# Altium PCB PCB2.PcbDoc (part 1 of 16) (continued)
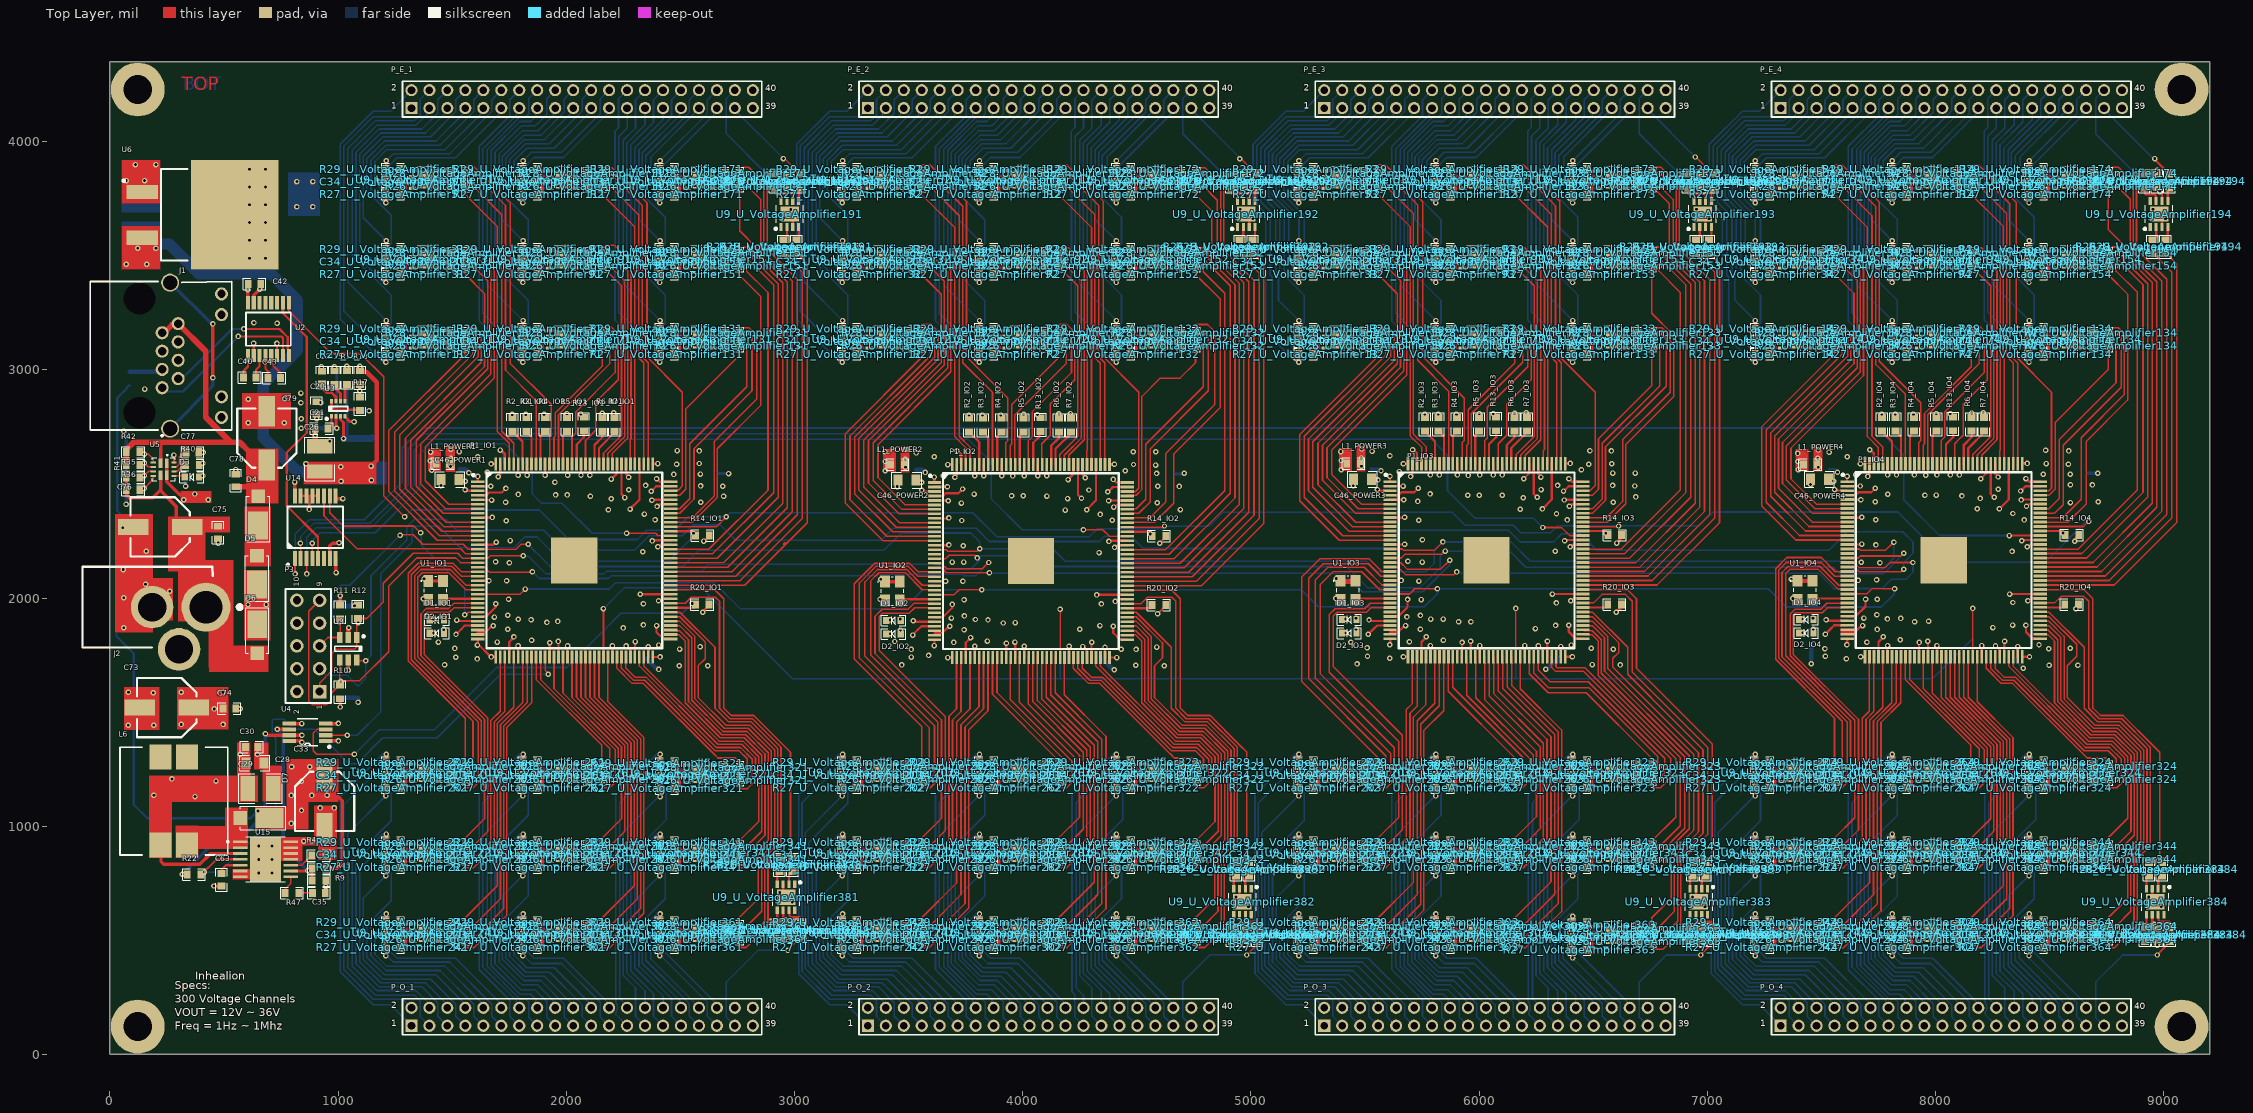
[diagram p0: Top Layer view]
## Design rules (kind name [scope] priority, off if disabled: settings) (continued)
RoomDefinition U_VoltageAmplifier272 [InComponentClass('U_VoltageAmplifier272')] p53: confinementstyle=ConfineIn formatcopy=TRUE lockcomponents=FALSE outline 4191.26,1325.59 3771.26,1325.59 3771.26,1125.59 4191.26,1125.59
RoomDefinition U_VoltageAmplifier232 [InComponentClass('U_VoltageAmplifier232')] p54: confinementstyle=ConfineIn formatcopy=TRUE lockcomponents=FALSE outline 3591.26,975.59 3171.26,975.59 3171.26,775.59 3591.26,775.59
RoomDefinition U_VoltageAmplifier212 [InComponentClass('U_VoltageAmplifier212')] p55: confinementstyle=ConfineIn formatcopy=TRUE lockcomponents=FALSE outline 3591.26,1325.59 3171.26,1325.59 3171.26,1125.59 3591.26,1125.59
RoomDefinition U_VoltageAmplifier182 [InComponentClass('U_VoltageAmplifier182')] p56: confinementstyle=ConfineIn formatcopy=TRUE lockcomponents=FALSE outline 4791.26,3925.59 4371.26,3925.59 4371.26,3725.59 4791.26,3725.59
RoomDefinition U_VoltageAmplifier162 [InComponentClass('U_VoltageAmplifier162')] p57: confinementstyle=ConfineIn formatcopy=TRUE lockcomponents=FALSE outline 4791.26,3575.59 4371.26,3575.59 4371.26,3375.59 4791.26,3375.59
RoomDefinition U_VoltageAmplifier142 [InComponentClass('U_VoltageAmplifier142')] p58: confinementstyle=ConfineIn formatcopy=TRUE lockcomponents=FALSE outline 4791.26,3225.59 4371.26,3225.59 4371.26,3025.59 4791.26,3025.59
RoomDefinition U_VoltageAmplifier122 [InComponentClass('U_VoltageAmplifier122')] p59: confinementstyle=ConfineIn formatcopy=TRUE lockcomponents=FALSE outline 4191.26,3925.59 3771.26,3925.59 3771.26,3725.59 4191.26,3725.59
RoomDefinition U_VoltageAmplifier102 [InComponentClass('U_VoltageAmplifier102')] p60: confinementstyle=ConfineIn formatcopy=TRUE lockcomponents=FALSE outline 4191.26,3575.59 3771.26,3575.59 3771.26,3375.59 4191.26,3375.59
RoomDefinition U_VoltageAmplifier82 [InComponentClass('U_VoltageAmplifier82')] p61: confinementstyle=ConfineIn formatcopy=TRUE lockcomponents=FALSE outline 4191.26,3225.59 3771.26,3225.59 3771.26,3025.59 4191.26,3025.59
RoomDefinition U_VoltageAmplifier62 [InComponentClass('U_VoltageAmplifier62')] p62: confinementstyle=ConfineIn formatcopy=TRUE lockcomponents=FALSE outline 3591.26,3925.59 3171.26,3925.59 3171.26,3725.59 3591.26,3725.59
RoomDefinition U_VoltageAmplifier42 [InComponentClass('U_VoltageAmplifier42')] p63: confinementstyle=ConfineIn formatcopy=TRUE lockcomponents=FALSE outline 3591.26,3575.59 3171.26,3575.59 3171.26,3375.59 3591.26,3375.59
RoomDefinition POWER4 [InComponentClass('POWER4')] p64: confinementstyle=ConfineIn formatcopy=TRUE lockcomponents=FALSE outline 7421.26,1665.59 8721.26,1665.59 8721.26,2675.59 7421.26,2675.59
RoomDefinition POWER3 [InComponentClass('POWER3')] p65: confinementstyle=ConfineIn formatcopy=TRUE lockcomponents=FALSE outline 5421.26,1665.59 6721.26,1665.59 6721.26,2675.59 5421.26,2675.59
RoomDefinition POWER1 [InComponentClass('POWER1')] p66: confinementstyle=ConfineIn formatcopy=TRUE lockcomponents=FALSE outline 1421.26,1665.59 2721.26,1665.59 2721.26,2675.59 1421.26,2675.59
RoomDefinition IO4 [InComponentClass('IO4')] p67: confinementstyle=ConfineIn formatcopy=TRUE lockcomponents=FALSE outline 7341.26,1705.59 8651.26,1705.59 8651.26,2825.59 7341.26,2825.59
RoomDefinition IO3 [InComponentClass('IO3')] p68: confinementstyle=ConfineIn formatcopy=TRUE lockcomponents=FALSE outline 5341.26,1705.59 6651.26,1705.59 6651.26,2825.59 5341.26,2825.59
RoomDefinition IO1 [InComponentClass('IO1')] p69: confinementstyle=ConfineIn formatcopy=TRUE lockcomponents=FALSE outline 1341.26,1705.59 2651.26,1705.59 2651.26,2815.59 1341.26,2815.59
RoomDefinition U_VoltageAmplifier321 [InComponentClass('U_VoltageAmplifier321')] p70: confinementstyle=ConfineIn formatcopy=FALSE lockcomponents=FALSE outline 2791.26,1325.59 2371.26,1325.59 2371.26,1125.59 2791.26,1125.59
RoomDefinition U_VoltageAmplifier331 [InComponentClass('U_VoltageAmplifier331')] p71: confinementstyle=ConfineIn formatcopy=FALSE lockcomponents=FALSE outline 2791.26,1325.59 2371.26,1325.59 2371.26,1125.59 2791.26,1125.59
RoomDefinition U_VoltageAmplifier231 [InComponentClass('U_VoltageAmplifier231')] p72: confinementstyle=ConfineIn formatcopy=FALSE lockcomponents=FALSE outline 1591.26,975.59 1171.26,975.59 1171.26,775.59 1591.26,775.59
RoomDefinition U_VoltageAmplifier381 [InComponentClass('U_VoltageAmplifier381')] p73: confinementstyle=ConfineIn formatcopy=FALSE lockcomponents=FALSE outline 2871.26,895.59 2871.26,475.59 3071.26,475.59 3071.26,895.59
RoomDefinition U_VoltageAmplifier361 [InComponentClass('U_VoltageAmplifier361')] p74: confinementstyle=ConfineIn formatcopy=FALSE lockcomponents=FALSE outline 2791.26,625.59 2371.26,625.59 2371.26,425.59 2791.26,425.59
RoomDefinition U_VoltageAmplifier341 [InComponentClass('U_VoltageAmplifier341')] p75: confinementstyle=ConfineIn formatcopy=FALSE lockcomponents=FALSE outline 2791.26,975.59 2371.26,975.59 2371.26,775.59 2791.26,775.59
RoomDefinition U_VoltageAmplifier301 [InComponentClass('U_VoltageAmplifier301')] p76: confinementstyle=ConfineIn formatcopy=FALSE lockcomponents=FALSE outline 2191.26,625.59 1771.26,625.59 1771.26,425.59 2191.26,425.59
RoomDefinition U_VoltageAmplifier281 [InComponentClass('U_VoltageAmplifier281')] p77: confinementstyle=ConfineIn formatcopy=FALSE lockcomponents=FALSE outline 2191.26,975.59 1771.26,975.59 1771.26,775.59 2191.26,775.59
RoomDefinition U_VoltageAmplifier241 [InComponentClass('U_VoltageAmplifier241')] p78: confinementstyle=ConfineIn formatcopy=FALSE lockcomponents=FALSE outline 1591.26,625.59 1171.26,625.59 1171.26,425.59 1591.26,425.59
RoomDefinition U_VoltageAmplifier221 [InComponentClass('U_VoltageAmplifier221')] p79: confinementstyle=ConfineIn formatcopy=FALSE lockcomponents=FALSE outline 1591.26,975.59 1171.26,975.59 1171.26,775.59 1591.26,775.59
RoomDefinition U_VoltageAmplifier201 [InComponentClass('U_VoltageAmplifier201')] p80: confinementstyle=ConfineIn formatcopy=FALSE lockcomponents=FALSE outline 1591.26,1325.59 1171.26,1325.59 1171.26,1125.59 1591.26,1125.59
RoomDefinition U_VoltageAmplifier371 [InComponentClass('U_VoltageAmplifier371')] p81: confinementstyle=ConfineIn formatcopy=FALSE lockcomponents=FALSE outline 2791.26,625.59 2371.26,625.59 2371.26,425.59 2791.26,425.59
RoomDefinition U_VoltageAmplifier351 [InComponentClass('U_VoltageAmplifier351')] p82: confinementstyle=ConfineIn formatcopy=FALSE lockcomponents=FALSE outline 2791.26,975.59 2371.26,975.59 2371.26,775.59 2791.26,775.59
RoomDefinition U_VoltageAmplifier311 [InComponentClass('U_VoltageAmplifier311')] p83: confinementstyle=ConfineIn formatcopy=FALSE lockcomponents=FALSE outline 2191.26,625.59 1771.26,625.59 1771.26,425.59 2191.26,425.59
RoomDefinition U_VoltageAmplifier291 [InComponentClass('U_VoltageAmplifier291')] p84: confinementstyle=ConfineIn formatcopy=FALSE lockcomponents=FALSE outline 2191.26,975.59 1771.26,975.59 1771.26,775.59 2191.26,775.59
RoomDefinition U_VoltageAmplifier271 [InComponentClass('U_VoltageAmplifier271')] p85: confinementstyle=ConfineIn formatcopy=FALSE lockcomponents=FALSE outline 2191.26,1325.59 1771.26,1325.59 1771.26,1125.59 2191.26,1125.59
RoomDefinition U_VoltageAmplifier251 [InComponentClass('U_VoltageAmplifier251')] p86: confinementstyle=ConfineIn formatcopy=FALSE lockcomponents=FALSE outline 1591.26,625.59 1171.26,625.59 1171.26,425.59 1591.26,425.59
RoomDefinition U_VoltageAmplifier211 [InComponentClass('U_VoltageAmplifier211')] p87: confinementstyle=ConfineIn formatcopy=FALSE lockcomponents=FALSE outline 1591.26,1325.59 1171.26,1325.59 1171.26,1125.59 1591.26,1125.59
RoomDefinition U_VoltageAmplifier81 [InComponentClass('U_VoltageAmplifier81')] p88: confinementstyle=ConfineIn formatcopy=FALSE lockcomponents=FALSE outline 2191.26,3225.59 1771.26,3225.59 1771.26,3025.59 2191.26,3025.59
RoomDefinition U_VoltageAmplifier101 [InComponentClass('U_VoltageAmplifier101')] p89: confinementstyle=ConfineIn formatcopy=FALSE lockcomponents=FALSE outline 2191.26,3575.59 1771.26,3575.59 1771.26,3375.59 2191.26,3375.59
RoomDefinition U_VoltageAmplifier141 [InComponentClass('U_VoltageAmplifier141')] p90: confinementstyle=ConfineIn formatcopy=FALSE lockcomponents=FALSE outline 2791.26,3225.59 2371.26,3225.59 2371.26,3025.59 2791.26,3025.59
RoomDefinition U_VoltageAmplifier161 [InComponentClass('U_VoltageAmplifier161')] p91: confinementstyle=ConfineIn formatcopy=FALSE lockcomponents=FALSE outline 2791.26,3575.59 2371.26,3575.59 2371.26,3375.59 2791.26,3375.59
RoomDefinition U_VoltageAmplifier181 [InComponentClass('U_VoltageAmplifier181')] p92: confinementstyle=ConfineIn formatcopy=FALSE lockcomponents=FALSE outline 2791.26,3925.59 2371.26,3925.59 2371.26,3725.59 2791.26,3725.59
RoomDefinition U_VoltageAmplifier21 [InComponentClass('U_VoltageAmplifier21')] p93: confinementstyle=ConfineIn formatcopy=FALSE lockcomponents=FALSE outline 1591.26,3225.59 1171.26,3225.59 1171.26,3025.59 1591.26,3025.59
RoomDefinition U_VoltageAmplifier41 [InComponentClass('U_VoltageAmplifier41')] p94: confinementstyle=ConfineIn formatcopy=FALSE lockcomponents=FALSE outline 1591.26,3575.59 1171.26,3575.59 1171.26,3375.59 1591.26,3375.59
RoomDefinition U_VoltageAmplifier61 [InComponentClass('U_VoltageAmplifier61')] p95: confinementstyle=ConfineIn formatcopy=FALSE lockcomponents=FALSE outline 1591.26,3925.59 1171.26,3925.59 1171.26,3725.59 1591.26,3725.59
RoomDefinition U_VoltageAmplifier71 [InComponentClass('U_VoltageAmplifier71')] p96: confinementstyle=ConfineIn formatcopy=FALSE lockcomponents=FALSE outline 2191.26,3225.59 1771.26,3225.59 1771.26,3025.59 2191.26,3025.59
RoomDefinition U_VoltageAmplifier111 [InComponentClass('U_VoltageAmplifier111')] p97: confinementstyle=ConfineIn formatcopy=FALSE lockcomponents=FALSE outline 2191.26,3925.59 1771.26,3925.59 1771.26,3725.59 2191.26,3725.59
RoomDefinition U_VoltageAmplifier91 [InComponentClass('U_VoltageAmplifier91')] p98: confinementstyle=ConfineIn formatcopy=FALSE lockcomponents=FALSE outline 2191.26,3575.59 1771.26,3575.59 1771.26,3375.59 2191.26,3375.59
RoomDefinition U_VoltageAmplifier131 [InComponentClass('U_VoltageAmplifier131')] p99: confinementstyle=ConfineIn formatcopy=FALSE lockcomponents=FALSE outline 2791.26,3225.59 2371.26,3225.59 2371.26,3025.59 2791.26,3025.59
RoomDefinition U_VoltageAmplifier151 [InComponentClass('U_VoltageAmplifier151')] p100: confinementstyle=ConfineIn formatcopy=FALSE lockcomponents=FALSE outline 2791.26,3575.59 2371.26,3575.59 2371.26,3375.59 2791.26,3375.59
RoomDefinition U_VoltageAmplifier171 [InComponentClass('U_VoltageAmplifier171')] p101: confinementstyle=ConfineIn formatcopy=FALSE lockcomponents=FALSE outline 2791.26,3925.59 2371.26,3925.59 2371.26,3725.59 2791.26,3725.59
RoomDefinition U_VoltageAmplifier191 [InComponentClass('U_VoltageAmplifier191')] p102: confinementstyle=ConfineIn formatcopy=FALSE lockcomponents=FALSE outline 3071.26,3475.59 3071.26,3895.59 2871.26,3895.59 2871.26,3475.59
RoomDefinition U_VoltageAmplifier11 [InComponentClass('U_VoltageAmplifier11')] p103: confinementstyle=ConfineIn formatcopy=FALSE lockcomponents=FALSE outline 1591.26,3225.59 1171.26,3225.59 1171.26,3025.59 1591.26,3025.59
RoomDefinition U_VoltageAmplifier31 [InComponentClass('U_VoltageAmplifier31')] p104: confinementstyle=ConfineIn formatcopy=FALSE lockcomponents=FALSE outline 1591.26,3575.59 1171.26,3575.59 1171.26,3375.59 1591.26,3375.59
RoomDefinition U_VoltageAmplifier51 [InComponentClass('U_VoltageAmplifier51')] p105: confinementstyle=ConfineIn formatcopy=FALSE lockcomponents=FALSE outline 1591.26,3925.59 1171.26,3925.59 1171.26,3725.59 1591.26,3725.59
RoomDefinition U_VoltageAmplifier14 [InComponentClass('U_VoltageAmplifier14')] p106: confinementstyle=ConfineIn formatcopy=FALSE lockcomponents=FALSE outline 7591.26,3225.59 7171.26,3225.59 7171.26,3025.59 7591.26,3025.59
RoomDefinition U_VoltageAmplifier13 [InComponentClass('U_VoltageAmplifier13')] p107: confinementstyle=ConfineIn formatcopy=FALSE lockcomponents=FALSE outline 5591.26,3225.59 5171.26,3225.59 5171.26,3025.59 5591.26,3025.59
RoomDefinition U_VoltageAmplifier12 [InComponentClass('U_VoltageAmplifier12')] p108: confinementstyle=ConfineIn formatcopy=FALSE lockcomponents=FALSE outline 3591.26,3225.59 3171.26,3225.59 3171.26,3025.59 3591.26,3025.59
RoomDefinition U_VoltageAmplifier384 [InComponentClass('U_VoltageAmplifier384')] p109: confinementstyle=ConfineIn formatcopy=FALSE lockcomponents=FALSE outline 8871.26,875.59 8871.26,455.59 9071.26,455.59 9071.26,875.59
RoomDefinition U_VoltageAmplifier383 [InComponentClass('U_VoltageAmplifier383')] p110: confinementstyle=ConfineIn formatcopy=FALSE lockcomponents=FALSE outline 6871.26,875.59 6871.26,455.59 7071.26,455.59 7071.26,875.59
RoomDefinition U_VoltageAmplifier382 [InComponentClass('U_VoltageAmplifier382')] p111: confinementstyle=ConfineIn formatcopy=FALSE lockcomponents=FALSE outline 4871.26,875.59 4871.26,455.59 5071.26,455.59 5071.26,875.59
RoomDefinition U_VoltageAmplifier364 [InComponentClass('U_VoltageAmplifier364')] p112: confinementstyle=ConfineIn formatcopy=FALSE lockcomponents=FALSE outline 8791.26,625.59 8371.26,625.59 8371.26,425.59 8791.26,425.59
RoomDefinition U_VoltageAmplifier363 [InComponentClass('U_VoltageAmplifier363')] p113: confinementstyle=ConfineIn formatcopy=FALSE lockcomponents=FALSE outline 6791.26,615.59 6371.26,615.59 6371.26,415.59 6791.26,415.59
RoomDefinition U_VoltageAmplifier362 [InComponentClass('U_VoltageAmplifier362')] p114: confinementstyle=ConfineIn formatcopy=FALSE lockcomponents=FALSE outline 4791.26,625.59 4371.26,625.59 4371.26,425.59 4791.26,425.59
RoomDefinition U_VoltageAmplifier344 [InComponentClass('U_VoltageAmplifier344')] p115: confinementstyle=ConfineIn formatcopy=FALSE lockcomponents=FALSE outline 8791.26,975.59 8371.26,975.59 8371.26,775.59 8791.26,775.59
RoomDefinition U_VoltageAmplifier343 [InComponentClass('U_VoltageAmplifier343')] p116: confinementstyle=ConfineIn formatcopy=FALSE lockcomponents=FALSE outline 6791.26,975.59 6371.26,975.59 6371.26,775.59 6791.26,775.59
RoomDefinition U_VoltageAmplifier342 [InComponentClass('U_VoltageAmplifier342')] p117: confinementstyle=ConfineIn formatcopy=FALSE lockcomponents=FALSE outline 4791.26,975.59 4371.26,975.59 4371.26,775.59 4791.26,775.59
RoomDefinition U_VoltageAmplifier324 [InComponentClass('U_VoltageAmplifier324')] p118: confinementstyle=ConfineIn formatcopy=FALSE lockcomponents=FALSE outline 8791.26,1325.59 8371.26,1325.59 8371.26,1125.59 8791.26,1125.59
RoomDefinition U_VoltageAmplifier323 [InComponentClass('U_VoltageAmplifier323')] p119: confinementstyle=ConfineIn formatcopy=FALSE lockcomponents=FALSE outline 6791.26,1325.59 6371.26,1325.59 6371.26,1125.59 6791.26,1125.59
RoomDefinition U_VoltageAmplifier322 [InComponentClass('U_VoltageAmplifier322')] p120: confinementstyle=ConfineIn formatcopy=FALSE lockcomponents=FALSE outline 4791.26,1325.59 4371.26,1325.59 4371.26,1125.59 4791.26,1125.59
RoomDefinition U_VoltageAmplifier304 [InComponentClass('U_VoltageAmplifier304')] p121: confinementstyle=ConfineIn formatcopy=FALSE lockcomponents=FALSE outline 8191.26,625.59 7771.26,625.59 7771.26,425.59 8191.26,425.59
RoomDefinition U_VoltageAmplifier303 [InComponentClass('U_VoltageAmplifier303')] p122: confinementstyle=ConfineIn formatcopy=FALSE lockcomponents=FALSE outline 6191.26,625.59 5771.26,625.59 5771.26,425.59 6191.26,425.59
RoomDefinition U_VoltageAmplifier302 [InComponentClass('U_VoltageAmplifier302')] p123: confinementstyle=ConfineIn formatcopy=FALSE lockcomponents=FALSE outline 4191.26,625.59 3771.26,625.59 3771.26,425.59 4191.26,425.59
RoomDefinition U_VoltageAmplifier284 [InComponentClass('U_VoltageAmplifier284')] p124: confinementstyle=ConfineIn formatcopy=FALSE lockcomponents=FALSE outline 8191.26,975.59 7771.26,975.59 7771.26,775.59 8191.26,775.59
RoomDefinition U_VoltageAmplifier283 [InComponentClass('U_VoltageAmplifier283')] p125: confinementstyle=ConfineIn formatcopy=FALSE lockcomponents=FALSE outline 6191.26,975.59 5771.26,975.59 5771.26,775.59 6191.26,775.59
RoomDefinition U_VoltageAmplifier282 [InComponentClass('U_VoltageAmplifier282')] p126: confinementstyle=ConfineIn formatcopy=FALSE lockcomponents=FALSE outline 4191.26,975.59 3771.26,975.59 3771.26,775.59 4191.26,775.59
RoomDefinition U_VoltageAmplifier264 [InComponentClass('U_VoltageAmplifier264')] p127: confinementstyle=ConfineIn formatcopy=FALSE lockcomponents=FALSE outline 8191.26,1325.59 7771.26,1325.59 7771.26,1125.59 8191.26,1125.59
RoomDefinition U_VoltageAmplifier263 [InComponentClass('U_VoltageAmplifier263')] p128: confinementstyle=ConfineIn formatcopy=FALSE lockcomponents=FALSE outline 6191.26,1325.59 5771.26,1325.59 5771.26,1125.59 6191.26,1125.59
RoomDefinition U_VoltageAmplifier262 [InComponentClass('U_VoltageAmplifier262')] p129: confinementstyle=ConfineIn formatcopy=FALSE lockcomponents=FALSE outline 4191.26,1325.59 3771.26,1325.59 3771.26,1125.59 4191.26,1125.59
RoomDefinition U_VoltageAmplifier243 [InComponentClass('U_VoltageAmplifier243')] p130: confinementstyle=ConfineIn formatcopy=FALSE lockcomponents=FALSE outline 5591.26,625.59 5171.26,625.59 5171.26,425.59 5591.26,425.59
RoomDefinition U_VoltageAmplifier242 [InComponentClass('U_VoltageAmplifier242')] p131: confinementstyle=ConfineIn formatcopy=FALSE lockcomponents=FALSE outline 3591.26,625.59 3171.26,625.59 3171.26,425.59 3591.26,425.59
RoomDefinition U_VoltageAmplifier224 [InComponentClass('U_VoltageAmplifier224')] p132: confinementstyle=ConfineIn formatcopy=FALSE lockcomponents=FALSE outline 7591.26,975.59 7171.26,975.59 7171.26,775.59 7591.26,775.59
RoomDefinition U_VoltageAmplifier223 [InComponentClass('U_VoltageAmplifier223')] p133: confinementstyle=ConfineIn formatcopy=FALSE lockcomponents=FALSE outline 5591.26,975.59 5171.26,975.59 5171.26,775.59 5591.26,775.59
RoomDefinition U_VoltageAmplifier222 [InComponentClass('U_VoltageAmplifier222')] p134: confinementstyle=ConfineIn formatcopy=FALSE lockcomponents=FALSE outline 3591.26,975.59 3171.26,975.59 3171.26,775.59 3591.26,775.59
RoomDefinition U_VoltageAmplifier204 [InComponentClass('U_VoltageAmplifier204')] p135: confinementstyle=ConfineIn formatcopy=FALSE lockcomponents=FALSE outline 7591.26,1325.59 7171.26,1325.59 7171.26,1125.59 7591.26,1125.59
RoomDefinition U_VoltageAmplifier202 [InComponentClass('U_VoltageAmplifier202')] p136: confinementstyle=ConfineIn formatcopy=FALSE lockcomponents=FALSE outline 3591.26,1325.59 3171.26,1325.59 3171.26,1125.59 3591.26,1125.59
RoomDefinition U_VoltageAmplifier194 [InComponentClass('U_VoltageAmplifier194')] p137: confinementstyle=ConfineIn formatcopy=FALSE lockcomponents=FALSE outline 9071.26,3475.59 9071.26,3895.59 8871.26,3895.59 8871.26,3475.59
RoomDefinition U_VoltageAmplifier193 [InComponentClass('U_VoltageAmplifier193')] p138: confinementstyle=ConfineIn formatcopy=FALSE lockcomponents=FALSE outline 7071.26,3475.59 7071.26,3895.59 6871.26,3895.59 6871.26,3475.59
RoomDefinition U_VoltageAmplifier174 [InComponentClass('U_VoltageAmplifier174')] p139: confinementstyle=ConfineIn formatcopy=FALSE lockcomponents=FALSE outline 8791.26,3925.59 8371.26,3925.59 8371.26,3725.59 8791.26,3725.59
RoomDefinition U_VoltageAmplifier173 [InComponentClass('U_VoltageAmplifier173')] p140: confinementstyle=ConfineIn formatcopy=FALSE lockcomponents=FALSE outline 6791.26,3925.59 6371.26,3925.59 6371.26,3725.59 6791.26,3725.59
RoomDefinition U_VoltageAmplifier172 [InComponentClass('U_VoltageAmplifier172')] p141: confinementstyle=ConfineIn formatcopy=FALSE lockcomponents=FALSE outline 4791.26,3925.59 4371.26,3925.59 4371.26,3725.59 4791.26,3725.59
RoomDefinition U_VoltageAmplifier154 [InComponentClass('U_VoltageAmplifier154')] p142: confinementstyle=ConfineIn formatcopy=FALSE lockcomponents=FALSE outline 8791.26,3575.59 8371.26,3575.59 8371.26,3375.59 8791.26,3375.59
RoomDefinition U_VoltageAmplifier153 [InComponentClass('U_VoltageAmplifier153')] p143: confinementstyle=ConfineIn formatcopy=FALSE lockcomponents=FALSE outline 6791.26,3575.59 6371.26,3575.59 6371.26,3375.59 6791.26,3375.59
RoomDefinition U_VoltageAmplifier152 [InComponentClass('U_VoltageAmplifier152')] p144: confinementstyle=ConfineIn formatcopy=FALSE lockcomponents=FALSE outline 4791.26,3575.59 4371.26,3575.59 4371.26,3375.59 4791.26,3375.59
RoomDefinition U_VoltageAmplifier134 [InComponentClass('U_VoltageAmplifier134')] p145: confinementstyle=ConfineIn formatcopy=FALSE lockcomponents=FALSE outline 8791.26,3225.59 8371.26,3225.59 8371.26,3025.59 8791.26,3025.59
RoomDefinition U_VoltageAmplifier132 [InComponentClass('U_VoltageAmplifier132')] p146: confinementstyle=ConfineIn formatcopy=FALSE lockcomponents=FALSE outline 4791.26,3225.59 4371.26,3225.59 4371.26,3025.59 4791.26,3025.59
RoomDefinition U_VoltageAmplifier114 [InComponentClass('U_VoltageAmplifier114')] p147: confinementstyle=ConfineIn formatcopy=FALSE lockcomponents=FALSE outline 8191.26,3925.59 7771.26,3925.59 7771.26,3725.59 8191.26,3725.59
RoomDefinition U_VoltageAmplifier113 [InComponentClass('U_VoltageAmplifier113')] p148: confinementstyle=ConfineIn formatcopy=FALSE lockcomponents=FALSE outline 6191.26,3925.59 5771.26,3925.59 5771.26,3725.59 6191.26,3725.59
RoomDefinition U_VoltageAmplifier112 [InComponentClass('U_VoltageAmplifier112')] p149: confinementstyle=ConfineIn formatcopy=FALSE lockcomponents=FALSE outline 4191.26,3925.59 3771.26,3925.59 3771.26,3725.59 4191.26,3725.59
RoomDefinition U_VoltageAmplifier94 [InComponentClass('U_VoltageAmplifier94')] p150: confinementstyle=ConfineIn formatcopy=FALSE lockcomponents=FALSE outline 8191.26,3575.59 7771.26,3575.59 7771.26,3375.59 8191.26,3375.59
RoomDefinition U_VoltageAmplifier93 [InComponentClass('U_VoltageAmplifier93')] p151: confinementstyle=ConfineIn formatcopy=FALSE lockcomponents=FALSE outline 6191.26,3575.59 5771.26,3575.59 5771.26,3375.59 6191.26,3375.59
RoomDefinition U_VoltageAmplifier92 [InComponentClass('U_VoltageAmplifier92')] p152: confinementstyle=ConfineIn formatcopy=FALSE lockcomponents=FALSE outline 4191.26,3575.59 3771.26,3575.59 3771.26,3375.59 4191.26,3375.59
RoomDefinition U_VoltageAmplifier74 [InComponentClass('U_VoltageAmplifier74')] p153: confinementstyle=ConfineIn formatcopy=FALSE lockcomponents=FALSE outline 8191.26,3225.59 7771.26,3225.59 7771.26,3025.59 8191.26,3025.59
RoomDefinition U_VoltageAmplifier72 [InComponentClass('U_VoltageAmplifier72')] p154: confinementstyle=ConfineIn formatcopy=FALSE lockcomponents=FALSE outline 4191.26,3225.59 3771.26,3225.59 3771.26,3025.59 4191.26,3025.59
RoomDefinition U_VoltageAmplifier54 [InComponentClass('U_VoltageAmplifier54')] p155: confinementstyle=ConfineIn formatcopy=FALSE lockcomponents=FALSE outline 7591.26,3925.59 7171.26,3925.59 7171.26,3725.59 7591.26,3725.59
RoomDefinition U_VoltageAmplifier53 [InComponentClass('U_VoltageAmplifier53')] p156: confinementstyle=ConfineIn formatcopy=FALSE lockcomponents=FALSE outline 5591.26,3925.59 5171.26,3925.59 5171.26,3725.59 5591.26,3725.59
RoomDefinition U_VoltageAmplifier52 [InComponentClass('U_VoltageAmplifier52')] p157: confinementstyle=ConfineIn formatcopy=FALSE lockcomponents=FALSE outline 3591.26,3925.59 3171.26,3925.59 3171.26,3725.59 3591.26,3725.59
RoomDefinition U_VoltageAmplifier34 [InComponentClass('U_VoltageAmplifier34')] p158: confinementstyle=ConfineIn formatcopy=FALSE lockcomponents=FALSE outline 7591.26,3575.59 7171.26,3575.59 7171.26,3375.59 7591.26,3375.59
RoomDefinition U_VoltageAmplifier33 [InComponentClass('U_VoltageAmplifier33')] p159: confinementstyle=ConfineIn formatcopy=FALSE lockcomponents=FALSE outline 5591.26,3575.59 5171.26,3575.59 5171.26,3375.59 5591.26,3375.59
RoomDefinition U_VoltageAmplifier32 [InComponentClass('U_VoltageAmplifier32')] p160: confinementstyle=ConfineIn formatcopy=FALSE lockcomponents=FALSE outline 3591.26,3575.59 3171.26,3575.59 3171.26,3375.59 3591.26,3375.59
RoutingVias [All] p1: holewidth=12 width=24 viastyle="Through Hole" minholewidth=12 minwidth=24 maxholewidth=28 maxwidth=50
SilkToSilkClearance [All] p1: silktosilkclearance=0
SilkToSolderMaskClearance [IsPad] p1: minsilkscreentomaskgap=0 clearancetoexposedcopper=TRUE
SolderMaskExpansion [All] p1: expansion=4 istentingtop=FALSE
Width [All] p1: maxlimit=50 minlimit=7 preferedwidth=7 minimp=50.000000 maximp=50.000000 favimp=50.000000
23 further rules are at their usual default settings.

## Classes and differential pairs
component class U_VoltageAmplifier384: C34_U_VoltageAmplifier384 R26_U_VoltageAmplifier384 R27_U_VoltageAmplifier384 R28_U_VoltageAmplifier384 R29_U_VoltageAmplifier384 U9_U_VoltageAmplifier384
component class U_VoltageAmplifier383: C34_U_VoltageAmplifier383 R26_U_VoltageAmplifier383 R27_U_VoltageAmplifier383 R28_U_VoltageAmplifier383 R29_U_VoltageAmplifier383 U9_U_VoltageAmplifier383
component class U_VoltageAmplifier382: C34_U_VoltageAmplifier382 R26_U_VoltageAmplifier382 R27_U_VoltageAmplifier382 R28_U_VoltageAmplifier382 R29_U_VoltageAmplifier382 U9_U_VoltageAmplifier382
component class U_VoltageAmplifier381: C34_U_VoltageAmplifier381 R26_U_VoltageAmplifier381 R27_U_VoltageAmplifier381 R28_U_VoltageAmplifier381 R29_U_VoltageAmplifier381 U9_U_VoltageAmplifier381
component class U_VoltageAmplifier374: C34_U_VoltageAmplifier374 R26_U_VoltageAmplifier374 R27_U_VoltageAmplifier374 R28_U_VoltageAmplifier374 R29_U_VoltageAmplifier374 U9_U_VoltageAmplifier374
component class U_VoltageAmplifier373: C34_U_VoltageAmplifier373 R26_U_VoltageAmplifier373 R27_U_VoltageAmplifier373 R28_U_VoltageAmplifier373 R29_U_VoltageAmplifier373 U9_U_VoltageAmplifier373
component class U_VoltageAmplifier372: C34_U_VoltageAmplifier372 R26_U_VoltageAmplifier372 R27_U_VoltageAmplifier372 R28_U_VoltageAmplifier372 R29_U_VoltageAmplifier372 U9_U_VoltageAmplifier372
component class U_VoltageAmplifier371: C34_U_VoltageAmplifier371 R26_U_VoltageAmplifier371 R27_U_VoltageAmplifier371 R28_U_VoltageAmplifier371 R29_U_VoltageAmplifier371 U9_U_VoltageAmplifier371
component class U_VoltageAmplifier364: C34_U_VoltageAmplifier364 R26_U_VoltageAmplifier364 R27_U_VoltageAmplifier364 R28_U_VoltageAmplifier364 R29_U_VoltageAmplifier364 U9_U_VoltageAmplifier364
component class U_VoltageAmplifier363: C34_U_VoltageAmplifier363 R26_U_VoltageAmplifier363 R27_U_VoltageAmplifier363 R28_U_VoltageAmplifier363 R29_U_VoltageAmplifier363 U9_U_VoltageAmplifier363
component class U_VoltageAmplifier362: C34_U_VoltageAmplifier362 R26_U_VoltageAmplifier362 R27_U_VoltageAmplifier362 R28_U_VoltageAmplifier362 R29_U_VoltageAmplifier362 U9_U_VoltageAmplifier362
component class U_VoltageAmplifier361: C34_U_VoltageAmplifier361 R26_U_VoltageAmplifier361 R27_U_VoltageAmplifier361 R28_U_VoltageAmplifier361 R29_U_VoltageAmplifier361 U9_U_VoltageAmplifier361
component class U_VoltageAmplifier354: C34_U_VoltageAmplifier354 R26_U_VoltageAmplifier354 R27_U_VoltageAmplifier354 R28_U_VoltageAmplifier354 R29_U_VoltageAmplifier354 U9_U_VoltageAmplifier354
component class U_VoltageAmplifier353: C34_U_VoltageAmplifier353 R26_U_VoltageAmplifier353 R27_U_VoltageAmplifier353 R28_U_VoltageAmplifier353 R29_U_VoltageAmplifier353 U9_U_VoltageAmplifier353
component class U_VoltageAmplifier352: C34_U_VoltageAmplifier352 R26_U_VoltageAmplifier352 R27_U_VoltageAmplifier352 R28_U_VoltageAmplifier352 R29_U_VoltageAmplifier352 U9_U_VoltageAmplifier352
component class U_VoltageAmplifier351: C34_U_VoltageAmplifier351 R26_U_VoltageAmplifier351 R27_U_VoltageAmplifier351 R28_U_VoltageAmplifier351 R29_U_VoltageAmplifier351 U9_U_VoltageAmplifier351
component class U_VoltageAmplifier344: C34_U_VoltageAmplifier344 R26_U_VoltageAmplifier344 R27_U_VoltageAmplifier344 R28_U_VoltageAmplifier344 R29_U_VoltageAmplifier344 U9_U_VoltageAmplifier344
component class U_VoltageAmplifier343: C34_U_VoltageAmplifier343 R26_U_VoltageAmplifier343 R27_U_VoltageAmplifier343 R28_U_VoltageAmplifier343 R29_U_VoltageAmplifier343 U9_U_VoltageAmplifier343
component class U_VoltageAmplifier342: C34_U_VoltageAmplifier342 R26_U_VoltageAmplifier342 R27_U_VoltageAmplifier342 R28_U_VoltageAmplifier342 R29_U_VoltageAmplifier342 U9_U_VoltageAmplifier342
component class U_VoltageAmplifier341: C34_U_VoltageAmplifier341 R26_U_VoltageAmplifier341 R27_U_VoltageAmplifier341 R28_U_VoltageAmplifier341 R29_U_VoltageAmplifier341 U9_U_VoltageAmplifier341
component class U_VoltageAmplifier334: C34_U_VoltageAmplifier334 R26_U_VoltageAmplifier334 R27_U_VoltageAmplifier334 R28_U_VoltageAmplifier334 R29_U_VoltageAmplifier334 U9_U_VoltageAmplifier334
component class U_VoltageAmplifier333: C34_U_VoltageAmplifier333 R26_U_VoltageAmplifier333 R27_U_VoltageAmplifier333 R28_U_VoltageAmplifier333 R29_U_VoltageAmplifier333 U9_U_VoltageAmplifier333
component class U_VoltageAmplifier332: C34_U_VoltageAmplifier332 R26_U_VoltageAmplifier332 R27_U_VoltageAmplifier332 R28_U_VoltageAmplifier332 R29_U_VoltageAmplifier332 U9_U_VoltageAmplifier332
component class U_VoltageAmplifier331: C34_U_VoltageAmplifier331 R26_U_VoltageAmplifier331 R27_U_VoltageAmplifier331 R28_U_VoltageAmplifier331 R29_U_VoltageAmplifier331 U9_U_VoltageAmplifier331
component class U_VoltageAmplifier324: C34_U_VoltageAmplifier324 R26_U_VoltageAmplifier324 R27_U_VoltageAmplifier324 R28_U_VoltageAmplifier324 R29_U_VoltageAmplifier324 U9_U_VoltageAmplifier324
component class U_VoltageAmplifier323: C34_U_VoltageAmplifier323 R26_U_VoltageAmplifier323 R27_U_VoltageAmplifier323 R28_U_VoltageAmplifier323 R29_U_VoltageAmplifier323 U9_U_VoltageAmplifier323
component class U_VoltageAmplifier322: C34_U_VoltageAmplifier322 R26_U_VoltageAmplifier322 R27_U_VoltageAmplifier322 R28_U_VoltageAmplifier322 R29_U_VoltageAmplifier322 U9_U_VoltageAmplifier322
component class U_VoltageAmplifier321: C34_U_VoltageAmplifier321 R26_U_VoltageAmplifier321 R27_U_VoltageAmplifier321 R28_U_VoltageAmplifier321 R29_U_VoltageAmplifier321 U9_U_VoltageAmplifier321
component class U_VoltageAmplifier314: C34_U_VoltageAmplifier314 R26_U_VoltageAmplifier314 R27_U_VoltageAmplifier314 R28_U_VoltageAmplifier314 R29_U_VoltageAmplifier314 U9_U_VoltageAmplifier314
component class U_VoltageAmplifier313: C34_U_VoltageAmplifier313 R26_U_VoltageAmplifier313 R27_U_VoltageAmplifier313 R28_U_VoltageAmplifier313 R29_U_VoltageAmplifier313 U9_U_VoltageAmplifier313
component class U_VoltageAmplifier312: C34_U_VoltageAmplifier312 R26_U_VoltageAmplifier312 R27_U_VoltageAmplifier312 R28_U_VoltageAmplifier312 R29_U_VoltageAmplifier312 U9_U_VoltageAmplifier312
component class U_VoltageAmplifier311: C34_U_VoltageAmplifier311 R26_U_VoltageAmplifier311 R27_U_VoltageAmplifier311 R28_U_VoltageAmplifier311 R29_U_VoltageAmplifier311 U9_U_VoltageAmplifier311
component class U_VoltageAmplifier304: C34_U_VoltageAmplifier304 R26_U_VoltageAmplifier304 R27_U_VoltageAmplifier304 R28_U_VoltageAmplifier304 R29_U_VoltageAmplifier304 U9_U_VoltageAmplifier304
component class U_VoltageAmplifier303: C34_U_VoltageAmplifier303 R26_U_VoltageAmplifier303 R27_U_VoltageAmplifier303 R28_U_VoltageAmplifier303 R29_U_VoltageAmplifier303 U9_U_VoltageAmplifier303
component class U_VoltageAmplifier302: C34_U_VoltageAmplifier302 R26_U_VoltageAmplifier302 R27_U_VoltageAmplifier302 R28_U_VoltageAmplifier302 R29_U_VoltageAmplifier302 U9_U_VoltageAmplifier302
component class U_VoltageAmplifier301: C34_U_VoltageAmplifier301 R26_U_VoltageAmplifier301 R27_U_VoltageAmplifier301 R28_U_VoltageAmplifier301 R29_U_VoltageAmplifier301 U9_U_VoltageAmplifier301
component class U_VoltageAmplifier294: C34_U_VoltageAmplifier294 R26_U_VoltageAmplifier294 R27_U_VoltageAmplifier294 R28_U_VoltageAmplifier294 R29_U_VoltageAmplifier294 U9_U_VoltageAmplifier294
component class U_VoltageAmplifier293: C34_U_VoltageAmplifier293 R26_U_VoltageAmplifier293 R27_U_VoltageAmplifier293 R28_U_VoltageAmplifier293 R29_U_VoltageAmplifier293 U9_U_VoltageAmplifier293
component class U_VoltageAmplifier292: C34_U_VoltageAmplifier292 R26_U_VoltageAmplifier292 R27_U_VoltageAmplifier292 R28_U_VoltageAmplifier292 R29_U_VoltageAmplifier292 U9_U_VoltageAmplifier292
component class U_VoltageAmplifier291: C34_U_VoltageAmplifier291 R26_U_VoltageAmplifier291 R27_U_VoltageAmplifier291 R28_U_VoltageAmplifier291 R29_U_VoltageAmplifier291 U9_U_VoltageAmplifier291
component class U_VoltageAmplifier284: C34_U_VoltageAmplifier284 R26_U_VoltageAmplifier284 R27_U_VoltageAmplifier284 R28_U_VoltageAmplifier284 R29_U_VoltageAmplifier284 U9_U_VoltageAmplifier284
component class U_VoltageAmplifier283: C34_U_VoltageAmplifier283 R26_U_VoltageAmplifier283 R27_U_VoltageAmplifier283 R28_U_VoltageAmplifier283 R29_U_VoltageAmplifier283 U9_U_VoltageAmplifier283
component class U_VoltageAmplifier282: C34_U_VoltageAmplifier282 R26_U_VoltageAmplifier282 R27_U_VoltageAmplifier282 R28_U_VoltageAmplifier282 R29_U_VoltageAmplifier282 U9_U_VoltageAmplifier282
component class U_VoltageAmplifier281: C34_U_VoltageAmplifier281 R26_U_VoltageAmplifier281 R27_U_VoltageAmplifier281 R28_U_VoltageAmplifier281 R29_U_VoltageAmplifier281 U9_U_VoltageAmplifier281
component class U_VoltageAmplifier274: C34_U_VoltageAmplifier274 R26_U_VoltageAmplifier274 R27_U_VoltageAmplifier274 R28_U_VoltageAmplifier274 R29_U_VoltageAmplifier274 U9_U_VoltageAmplifier274
component class U_VoltageAmplifier273: C34_U_VoltageAmplifier273 R26_U_VoltageAmplifier273 R27_U_VoltageAmplifier273 R28_U_VoltageAmplifier273 R29_U_VoltageAmplifier273 U9_U_VoltageAmplifier273
component class U_VoltageAmplifier272: C34_U_VoltageAmplifier272 R26_U_VoltageAmplifier272 R27_U_VoltageAmplifier272 R28_U_VoltageAmplifier272 R29_U_VoltageAmplifier272 U9_U_VoltageAmplifier272
component class U_VoltageAmplifier271: C34_U_VoltageAmplifier271 R26_U_VoltageAmplifier271 R27_U_VoltageAmplifier271 R28_U_VoltageAmplifier271 R29_U_VoltageAmplifier271 U9_U_VoltageAmplifier271
component class U_VoltageAmplifier264: C34_U_VoltageAmplifier264 R26_U_VoltageAmplifier264 R27_U_VoltageAmplifier264 R28_U_VoltageAmplifier264 R29_U_VoltageAmplifier264 U9_U_VoltageAmplifier264
component class U_VoltageAmplifier263: C34_U_VoltageAmplifier263 R26_U_VoltageAmplifier263 R27_U_VoltageAmplifier263 R28_U_VoltageAmplifier263 R29_U_VoltageAmplifier263 U9_U_VoltageAmplifier263
component class U_VoltageAmplifier262: C34_U_VoltageAmplifier262 R26_U_VoltageAmplifier262 R27_U_VoltageAmplifier262 R28_U_VoltageAmplifier262 R29_U_VoltageAmplifier262 U9_U_VoltageAmplifier262
component class U_VoltageAmplifier261: C34_U_VoltageAmplifier261 R26_U_VoltageAmplifier261 R27_U_VoltageAmplifier261 R28_U_VoltageAmplifier261 R29_U_VoltageAmplifier261 U9_U_VoltageAmplifier261
component class U_VoltageAmplifier254: C34_U_VoltageAmplifier254 R26_U_VoltageAmplifier254 R27_U_VoltageAmplifier254 R28_U_VoltageAmplifier254 R29_U_VoltageAmplifier254 U9_U_VoltageAmplifier254
component class U_VoltageAmplifier253: C34_U_VoltageAmplifier253 R26_U_VoltageAmplifier253 R27_U_VoltageAmplifier253 R28_U_VoltageAmplifier253 R29_U_VoltageAmplifier253 U9_U_VoltageAmplifier253
component class U_VoltageAmplifier252: C34_U_VoltageAmplifier252 R26_U_VoltageAmplifier252 R27_U_VoltageAmplifier252 R28_U_VoltageAmplifier252 R29_U_VoltageAmplifier252 U9_U_VoltageAmplifier252
component class U_VoltageAmplifier251: C34_U_VoltageAmplifier251 R26_U_VoltageAmplifier251 R27_U_VoltageAmplifier251 R28_U_VoltageAmplifier251 R29_U_VoltageAmplifier251 U9_U_VoltageAmplifier251
component class U_VoltageAmplifier244: C34_U_VoltageAmplifier244 R26_U_VoltageAmplifier244 R27_U_VoltageAmplifier244 R28_U_VoltageAmplifier244 R29_U_VoltageAmplifier244 U9_U_VoltageAmplifier244
component class U_VoltageAmplifier243: C34_U_VoltageAmplifier243 R26_U_VoltageAmplifier243 R27_U_VoltageAmplifier243 R28_U_VoltageAmplifier243 R29_U_VoltageAmplifier243 U9_U_VoltageAmplifier243
component class U_VoltageAmplifier242: C34_U_VoltageAmplifier242 R26_U_VoltageAmplifier242 R27_U_VoltageAmplifier242 R28_U_VoltageAmplifier242 R29_U_VoltageAmplifier242 U9_U_VoltageAmplifier242
component class U_VoltageAmplifier241: C34_U_VoltageAmplifier241 R26_U_VoltageAmplifier241 R27_U_VoltageAmplifier241 R28_U_VoltageAmplifier241 R29_U_VoltageAmplifier241 U9_U_VoltageAmplifier241
component class U_VoltageAmplifier234: C34_U_VoltageAmplifier234 R26_U_VoltageAmplifier234 R27_U_VoltageAmplifier234 R28_U_VoltageAmplifier234 R29_U_VoltageAmplifier234 U9_U_VoltageAmplifier234
component class U_VoltageAmplifier233: C34_U_VoltageAmplifier233 R26_U_VoltageAmplifier233 R27_U_VoltageAmplifier233 R28_U_VoltageAmplifier233 R29_U_VoltageAmplifier233 U9_U_VoltageAmplifier233
component class U_VoltageAmplifier232: C34_U_VoltageAmplifier232 R26_U_VoltageAmplifier232 R27_U_VoltageAmplifier232 R28_U_VoltageAmplifier232 R29_U_VoltageAmplifier232 U9_U_VoltageAmplifier232